# Altium PCB STB_LightBoard.PcbDoc (part 24 of 31)
Units mm, origin at the board's own origin, x right, y up, seen from the top; angles counter-clockwise.
Board outline 348 x 348 mm, 2 copper layers (Top Layer, Bottom Layer), stack 1.672 mm thick; 3807 components, 3391 nets, 11616 pads, 2553 vias.
Unrouted connection lines stored in the file: 68.
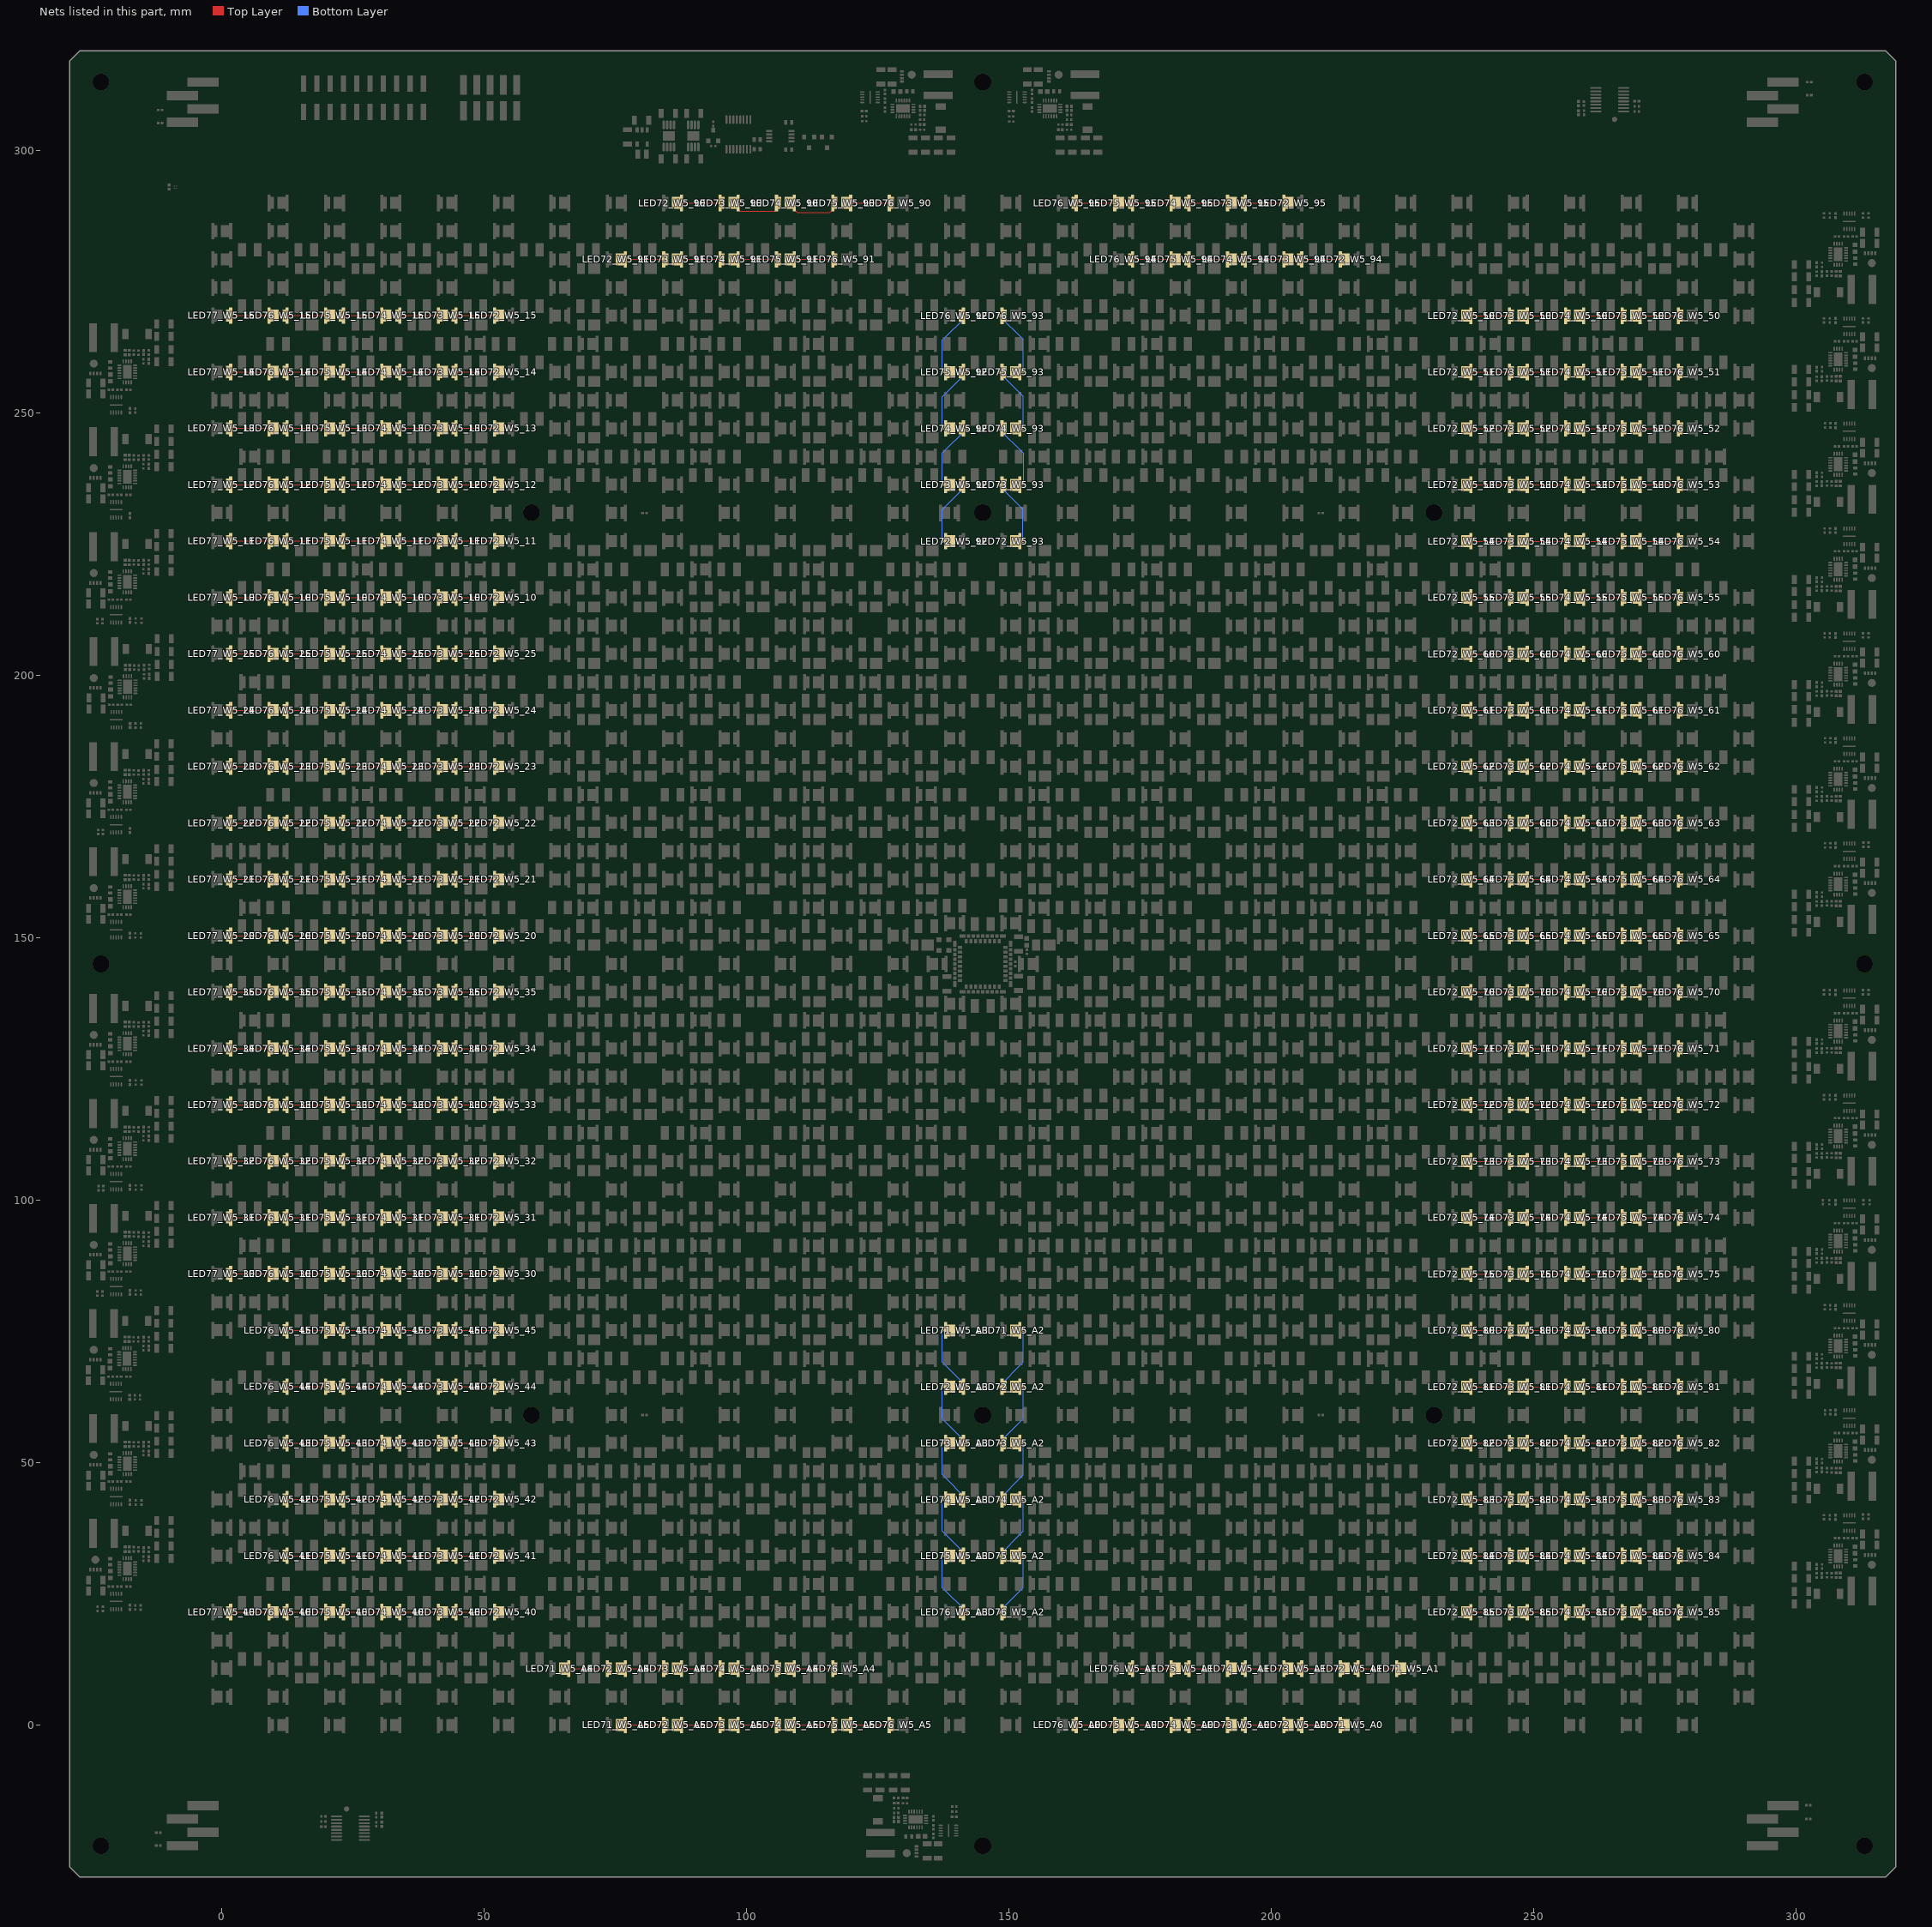
[diagram p24: the nets of this part, all layers, seen from the top]

## Via types
v1: diameter 0.604, hole 0.3, Top Layer to Bottom Layer, tented both sides, 2553 vias

## Nets (pads, with @x,y where several pads share a name; then routed paths per layer and width w, separated by ;. In a path a pad name is that pad's centre, name@x,y a point inside that pad or via, vN(x,y) a via of type N, cw(c..) or ccw(c..) an arc to the next point about the centre after c; other vN are vias at no path point) (continued)
NetLED71_W5_A0_1: LED71_W5_A0.1 LED72_W5_A0.2 | length 9
  Top Layer w0.2: LED72_W5_A0.2@205.164,0 206.229,0 213.57,0 LED71_W5_A0.1@214.16,0
NetLED71_W5_A1_1: LED71_W5_A1.1 LED72_W5_A1.2 | length 9
  Top Layer w0.2: LED72_W5_A1.2@215.905,10.74 216.97,10.74 224.311,10.74 LED71_W5_A1.1@224.901,10.74
NetLED71_W5_A2_1: LED71_W5_A2.1 LED72_W5_A2.2 | length 15.6
  Top Layer w0.2: v1(148.06,64.44) LED72_W5_A2.2@148.674,64.44 LED72_W5_A2.2@149.264,64.44 ; LED71_W5_A2.1@151.009,75.18 LED71_W5_A2.1@152.074,75.18 v1(152.76,75.18)
  Bottom Layer w0.2: v1(148.06,64.44) 152.76,69.14 v1(152.76,75.18)
NetLED71_W5_A3_1: LED71_W5_A3.1 LED72_W5_A3.2 | length 15.2
  Top Layer w0.2: v1(137.319,75.18) LED71_W5_A3.1@137.933,75.18 LED71_W5_A3.1@138.523,75.18 ; LED72_W5_A3.2@140.743,64.44 LED72_W5_A3.2@141.333,64.44 v1(142.019,64.44)
  Bottom Layer w0.2: v1(137.319,75.18) 137.319,69.14 v1(142.019,64.44)
NetLED71_W5_A4_1: LED71_W5_A4.1 LED72_W5_A4.2 | length 9
  Top Layer w0.2: LED71_W5_A4.1@65.106,10.74 65.696,10.74 73.037,10.74 LED72_W5_A4.2@74.102,10.74
NetLED71_W5_A5_1: LED71_W5_A5.1 LED72_W5_A5.2 | length 9
  Top Layer w0.2: LED71_W5_A5.1@75.822,0 LED71_W5_A5.1@76.887,0 LED72_W5_A5.2@84.228,0 LED72_W5_A5.2@84.818,0
NetLED72_W5_10_1: LED72_W5_10.1 LED73_W5_10.2 | length 8.4
  Top Layer w0.2: LED73_W5_10.2@44.664,214.825 LED72_W5_10.1@52.005,214.825 LED72_W5_10.1@53.07,214.825
NetLED72_W5_11_1: LED72_W5_11.1 LED73_W5_11.2 | length 8.4
  Top Layer w0.2: LED73_W5_11.2@44.664,225.565 LED72_W5_11.1@52.005,225.565 LED72_W5_11.1@53.07,225.565
NetLED72_W5_12_1: LED72_W5_12.1 LED73_W5_12.2 | length 8.4
  Top Layer w0.2: LED73_W5_12.2@44.664,236.305 LED72_W5_12.1@52.005,236.305 LED72_W5_12.1@53.07,236.305
NetLED72_W5_13_1: LED72_W5_13.1 LED73_W5_13.2 | length 8.4
  Top Layer w0.2: LED73_W5_13.2@44.664,247.045 LED72_W5_13.1@52.005,247.045 LED72_W5_13.1@53.07,247.045
NetLED72_W5_14_1: LED72_W5_14.1 LED73_W5_14.2 | length 8.4
  Top Layer w0.2: LED73_W5_14.2@44.664,257.785 LED72_W5_14.1@52.005,257.785 LED72_W5_14.1@53.07,257.785
NetLED72_W5_15_1: LED72_W5_15.1 LED73_W5_15.2 | length 8.4
  Top Layer w0.2: LED73_W5_15.2@44.664,268.525 LED72_W5_15.1@52.005,268.525 LED72_W5_15.1@53.07,268.525
NetLED72_W5_20_1: LED72_W5_20.1 LED73_W5_20.2 | length 8.4
  Top Layer w0.2: LED73_W5_20.2@44.664,150.385 LED72_W5_20.1@52.005,150.385 LED72_W5_20.1@53.07,150.385
NetLED72_W5_21_1: LED72_W5_21.1 LED73_W5_21.2 | length 8.4
  Top Layer w0.2: LED73_W5_21.2@44.664,161.125 LED72_W5_21.1@52.005,161.125 LED72_W5_21.1@53.07,161.125
NetLED72_W5_22_1: LED72_W5_22.1 LED73_W5_22.2 | length 8.4
  Top Layer w0.2: LED73_W5_22.2@44.664,171.865 LED72_W5_22.1@52.005,171.865 LED72_W5_22.1@53.07,171.865
NetLED72_W5_23_1: LED72_W5_23.1 LED73_W5_23.2 | length 8.4
  Top Layer w0.2: LED73_W5_23.2@44.664,182.605 LED72_W5_23.1@52.005,182.605 LED72_W5_23.1@53.07,182.605
NetLED72_W5_24_1: LED72_W5_24.1 LED73_W5_24.2 | length 8.4
  Top Layer w0.2: LED73_W5_24.2@44.664,193.345 LED72_W5_24.1@52.005,193.345 LED72_W5_24.1@53.07,193.345
NetLED72_W5_25_1: LED72_W5_25.1 LED73_W5_25.2 | length 8.4
  Top Layer w0.2: LED73_W5_25.2@44.664,204.085 LED72_W5_25.1@52.005,204.085 LED72_W5_25.1@53.07,204.085
NetLED72_W5_30_1: LED72_W5_30.1 LED73_W5_30.2 | length 8.4
  Top Layer w0.2: LED73_W5_30.2@44.664,85.945 LED72_W5_30.1@52.005,85.945 LED72_W5_30.1@53.07,85.945
NetLED72_W5_31_1: LED72_W5_31.1 LED73_W5_31.2 | length 8.4
  Top Layer w0.2: LED73_W5_31.2@44.664,96.685 LED72_W5_31.1@52.005,96.685 LED72_W5_31.1@53.07,96.685
NetLED72_W5_32_1: LED72_W5_32.1 LED73_W5_32.2 | length 8.4
  Top Layer w0.2: LED73_W5_32.2@44.664,107.425 LED72_W5_32.1@52.005,107.425 LED72_W5_32.1@53.07,107.425
NetLED72_W5_33_1: LED72_W5_33.1 LED73_W5_33.2 | length 8.4
  Top Layer w0.2: LED73_W5_33.2@44.664,118.165 LED72_W5_33.1@52.005,118.165 LED72_W5_33.1@53.07,118.165
NetLED72_W5_34_1: LED72_W5_34.1 LED73_W5_34.2 | length 8.4
  Top Layer w0.2: LED73_W5_34.2@44.664,128.905 LED72_W5_34.1@52.005,128.905 LED72_W5_34.1@53.07,128.905
NetLED72_W5_35_1: LED72_W5_35.1 LED73_W5_35.2 | length 8.4
  Top Layer w0.2: LED73_W5_35.2@44.664,139.645 LED72_W5_35.1@52.005,139.645 LED72_W5_35.1@53.07,139.645
NetLED72_W5_40_1: LED72_W5_40.1 LED73_W5_40.2 | length 8.4
  Top Layer w0.2: LED73_W5_40.2@44.664,21.505 LED72_W5_40.1@52.005,21.505 LED72_W5_40.1@53.07,21.505
NetLED72_W5_41_1: LED72_W5_41.1 LED73_W5_41.2 | length 8.4
  Top Layer w0.2: LED73_W5_41.2@44.664,32.245 LED72_W5_41.1@52.005,32.245 LED72_W5_41.1@53.07,32.245
NetLED72_W5_42_1: LED72_W5_42.1 LED73_W5_42.2 | length 8.4
  Top Layer w0.2: LED73_W5_42.2@44.664,42.985 LED72_W5_42.1@52.005,42.985 LED72_W5_42.1@53.07,42.985
NetLED72_W5_43_1: LED72_W5_43.1 LED73_W5_43.2 | length 8.4
  Top Layer w0.2: LED73_W5_43.2@44.664,53.725 LED72_W5_43.1@52.005,53.725 LED72_W5_43.1@53.07,53.725
NetLED72_W5_44_1: LED72_W5_44.1 LED73_W5_44.2 | length 8.4
  Top Layer w0.2: LED73_W5_44.2@44.664,64.465 LED72_W5_44.1@52.005,64.465 LED72_W5_44.1@53.07,64.465
NetLED72_W5_45_1: LED72_W5_45.1 LED73_W5_45.2 | length 8.4
  Top Layer w0.2: LED73_W5_45.2@44.664,75.205 LED72_W5_45.1@52.005,75.205 LED72_W5_45.1@53.07,75.205
NetLED72_W5_50_1: LED72_W5_50.1 LED73_W5_50.2 | length 8.9
  Top Layer w0.2: LED72_W5_50.1@236.937,268.5 LED72_W5_50.1@238.002,268.5 LED73_W5_50.2@245.343,268.5 245.789,268.5 LED73_W5_50.2@245.797,268.492
NetLED72_W5_51_1: LED72_W5_51.1 LED73_W5_51.2 | length 8.9
  Top Layer w0.2: LED72_W5_51.1@236.937,257.76 LED72_W5_51.1@238.002,257.76 LED73_W5_51.2@245.343,257.76 245.789,257.76 LED73_W5_51.2@245.797,257.752
NetLED72_W5_52_1: LED72_W5_52.1 LED73_W5_52.2 | length 8.9
  Top Layer w0.2: LED72_W5_52.1@236.937,247.02 LED72_W5_52.1@238.002,247.02 LED73_W5_52.2@245.343,247.02 245.789,247.02 LED73_W5_52.2@245.797,247.012
NetLED72_W5_53_1: LED72_W5_53.1 LED73_W5_53.2 | length 8.9
  Top Layer w0.2: LED72_W5_53.1@236.937,236.28 LED72_W5_53.1@238.002,236.28 LED73_W5_53.2@245.343,236.28 245.789,236.28 LED73_W5_53.2@245.797,236.272
NetLED72_W5_54_1: LED72_W5_54.1 LED73_W5_54.2 | length 8.9
  Top Layer w0.2: LED72_W5_54.1@236.937,225.54 LED72_W5_54.1@238.002,225.54 LED73_W5_54.2@245.343,225.54 245.789,225.54 LED73_W5_54.2@245.797,225.532
NetLED72_W5_55_1: LED72_W5_55.1 LED73_W5_55.2 | length 8.9
  Top Layer w0.2: LED72_W5_55.1@236.937,214.8 LED72_W5_55.1@238.002,214.8 LED73_W5_55.2@245.343,214.8 245.789,214.8 LED73_W5_55.2@245.797,214.792
NetLED72_W5_60_1: LED72_W5_60.1 LED73_W5_60.2 | length 8.9
  Top Layer w0.2: LED72_W5_60.1@236.937,204.06 LED72_W5_60.1@238.002,204.06 LED73_W5_60.2@245.343,204.06 245.789,204.06 LED73_W5_60.2@245.797,204.052
NetLED72_W5_61_1: LED72_W5_61.1 LED73_W5_61.2 | length 8.9
  Top Layer w0.2: LED72_W5_61.1@236.937,193.32 LED72_W5_61.1@238.002,193.32 LED73_W5_61.2@245.343,193.32 245.789,193.32 LED73_W5_61.2@245.797,193.312
NetLED72_W5_62_1: LED72_W5_62.1 LED73_W5_62.2 | length 8.9
  Top Layer w0.2: LED72_W5_62.1@236.937,182.58 LED72_W5_62.1@238.002,182.58 LED73_W5_62.2@245.343,182.58 245.789,182.58 LED73_W5_62.2@245.797,182.572
NetLED72_W5_63_1: LED72_W5_63.1 LED73_W5_63.2 | length 8.9
  Top Layer w0.2: LED72_W5_63.1@236.937,171.84 LED72_W5_63.1@238.002,171.84 LED73_W5_63.2@245.343,171.84 245.789,171.84 LED73_W5_63.2@245.797,171.832
NetLED72_W5_64_1: LED72_W5_64.1 LED73_W5_64.2 | length 8.9
  Top Layer w0.2: LED72_W5_64.1@236.937,161.1 LED72_W5_64.1@238.002,161.1 LED73_W5_64.2@245.343,161.1 245.789,161.1 LED73_W5_64.2@245.797,161.092
NetLED72_W5_65_1: LED72_W5_65.1 LED73_W5_65.2 | length 8.9
  Top Layer w0.2: LED72_W5_65.1@236.937,150.36 LED72_W5_65.1@238.002,150.36 LED73_W5_65.2@245.343,150.36 245.789,150.36 LED73_W5_65.2@245.797,150.352
NetLED72_W5_70_1: LED72_W5_70.1 LED73_W5_70.2 | length 8.9
  Top Layer w0.2: LED72_W5_70.1@236.937,139.62 LED72_W5_70.1@238.002,139.62 LED73_W5_70.2@245.343,139.62 245.789,139.62 LED73_W5_70.2@245.797,139.612
NetLED72_W5_71_1: LED72_W5_71.1 LED73_W5_71.2 | length 8.9
  Top Layer w0.2: LED72_W5_71.1@236.937,128.88 LED72_W5_71.1@238.002,128.88 LED73_W5_71.2@245.343,128.88 245.789,128.88 LED73_W5_71.2@245.797,128.872
NetLED72_W5_72_1: LED72_W5_72.1 LED73_W5_72.2 | length 8.9
  Top Layer w0.2: LED72_W5_72.1@236.937,118.14 LED72_W5_72.1@238.002,118.14 LED73_W5_72.2@245.343,118.14 245.789,118.14 LED73_W5_72.2@245.797,118.132
NetLED72_W5_73_1: LED72_W5_73.1 LED73_W5_73.2 | length 8.9
  Top Layer w0.2: LED72_W5_73.1@236.937,107.4 LED72_W5_73.1@238.002,107.4 LED73_W5_73.2@245.343,107.4 245.789,107.4 LED73_W5_73.2@245.797,107.392
NetLED72_W5_74_1: LED72_W5_74.1 LED73_W5_74.2 | length 8.9
  Top Layer w0.2: LED72_W5_74.1@236.937,96.66 LED72_W5_74.1@238.002,96.66 LED73_W5_74.2@245.343,96.66 245.789,96.66 LED73_W5_74.2@245.797,96.652
NetLED72_W5_75_1: LED72_W5_75.1 LED73_W5_75.2 | length 8.9
  Top Layer w0.2: LED72_W5_75.1@236.937,85.92 LED72_W5_75.1@238.002,85.92 LED73_W5_75.2@245.343,85.92 245.789,85.92 LED73_W5_75.2@245.797,85.912
NetLED72_W5_80_1: LED72_W5_80.1 LED73_W5_80.2 | length 8.9
  Top Layer w0.2: LED72_W5_80.1@236.937,75.18 LED72_W5_80.1@238.002,75.18 LED73_W5_80.2@245.343,75.18 245.789,75.18 LED73_W5_80.2@245.797,75.172
NetLED72_W5_81_1: LED72_W5_81.1 LED73_W5_81.2 | length 8.9
  Top Layer w0.2: LED72_W5_81.1@236.937,64.44 LED72_W5_81.1@238.002,64.44 LED73_W5_81.2@245.343,64.44 245.789,64.44 LED73_W5_81.2@245.797,64.432
NetLED72_W5_82_1: LED72_W5_82.1 LED73_W5_82.2 | length 8.9
  Top Layer w0.2: LED72_W5_82.1@236.937,53.7 LED72_W5_82.1@238.002,53.7 LED73_W5_82.2@245.343,53.7 245.789,53.7 LED73_W5_82.2@245.797,53.692
NetLED72_W5_83_1: LED72_W5_83.1 LED73_W5_83.2 | length 8.9
  Top Layer w0.2: LED72_W5_83.1@236.937,42.96 LED72_W5_83.1@238.002,42.96 LED73_W5_83.2@245.343,42.96 245.789,42.96 LED73_W5_83.2@245.797,42.952
NetLED72_W5_84_1: LED72_W5_84.1 LED73_W5_84.2 | length 8.9
  Top Layer w0.2: LED72_W5_84.1@236.937,32.22 LED72_W5_84.1@238.002,32.22 LED73_W5_84.2@245.343,32.22 245.789,32.22 LED73_W5_84.2@245.797,32.212
NetLED72_W5_85_1: LED72_W5_85.1 LED73_W5_85.2 | length 8.9
  Top Layer w0.2: LED72_W5_85.1@236.937,21.48 LED72_W5_85.1@238.002,21.48 LED73_W5_85.2@245.343,21.48 245.789,21.48 LED73_W5_85.2@245.797,21.472
NetLED72_W5_90_1: LED72_W5_90.1 LED73_W5_90.2 | length 9
  Top Layer w0.2: LED72_W5_90.1@86.588,289.98 87.178,289.98 94.519,289.98 LED73_W5_90.2@95.584,289.98
NetLED72_W5_91_1: LED72_W5_91.1 LED73_W5_91.2 | length 9
  Top Layer w0.2: LED72_W5_91.1@75.822,279.24 LED72_W5_91.1@76.887,279.24 LED73_W5_91.2@84.228,279.24 LED73_W5_91.2@84.818,279.24
NetLED72_W5_92_1: LED72_W5_92.1 LED73_W5_92.2 | length 15.2
  Top Layer w0.2: v1(137.319,225.54) LED72_W5_92.1@137.933,225.54 LED72_W5_92.1@138.523,225.54 ; LED73_W5_92.2@140.743,236.28 LED73_W5_92.2@141.333,236.28 v1(142.019,236.28)
  Bottom Layer w0.2: v1(137.319,225.54) 137.319,231.58 v1(142.019,236.28)
NetLED72_W5_93_1: LED72_W5_93.1 LED73_W5_93.2 | length 15.6
  Top Layer w0.2: v1(148.02,236.28) LED73_W5_93.2@148.674,236.28 LED73_W5_93.2@149.264,236.28 ; LED72_W5_93.1@151.009,225.54 LED72_W5_93.1@152.074,225.54 v1(152.66,225.54)
  Bottom Layer w0.2: v1(148.02,236.28) 152.66,231.64 v1(152.66,225.54)
NetLED72_W5_94_1: LED72_W5_94.1 LED73_W5_94.2 | length 7.9
  Top Layer w0.2: LED73_W5_94.2@205.779,279.24 LED72_W5_94.1@213.12,279.24 LED72_W5_94.1@213.71,279.24
NetLED72_W5_95_1: LED72_W5_95.1 LED73_W5_95.2 | length 9
  Top Layer w0.2: LED73_W5_95.2@194.423,289.98 195.488,289.98 202.829,289.98 LED72_W5_95.1@203.419,289.98
NetLED72_W5_A0_1: LED72_W5_A0.1 LED73_W5_A0.2 | length 9
  Top Layer w0.2: LED73_W5_A0.2@194.423,0 195.488,0 202.829,0 LED72_W5_A0.1@203.419,0
NetLED72_W5_A1_1: LED72_W5_A1.1 LED73_W5_A1.2 | length 9
  Top Layer w0.2: LED73_W5_A1.2@205.164,10.74 206.229,10.74 213.57,10.74 LED72_W5_A1.1@214.16,10.74
NetLED72_W5_A2_1: LED72_W5_A2.1 LED73_W5_A2.2 | length 15.6
  Top Layer w0.2: v1(148.06,53.7) LED73_W5_A2.2@148.674,53.7 LED73_W5_A2.2@149.264,53.7 ; LED72_W5_A2.1@151.009,64.44 LED72_W5_A2.1@152.074,64.44 v1(152.76,64.44)
  Bottom Layer w0.2: v1(148.06,53.7) 152.76,58.4 v1(152.76,64.44)
NetLED72_W5_A3_1: LED72_W5_A3.1 LED73_W5_A3.2 | length 15.1
  Top Layer w0.2: v1(137.319,64.44) LED72_W5_A3.1@137.933,64.44 LED72_W5_A3.1@138.523,64.44 ; LED73_W5_A3.2@140.743,53.7 LED73_W5_A3.2@141.333,53.7 v1(141.947,53.7)
  Bottom Layer w0.2: v1(137.319,64.44) 137.319,58.328 v1(141.947,53.7)
NetLED72_W5_A4_1: LED72_W5_A4.1 LED73_W5_A4.2 | length 9
  Top Layer w0.2: LED72_W5_A4.1@75.847,10.74 76.437,10.74 83.778,10.74 LED73_W5_A4.2@84.843,10.74
NetLED72_W5_A5_1: LED72_W5_A5.1 LED73_W5_A5.2 | length 9
  Top Layer w0.2: LED72_W5_A5.1@86.563,0 LED72_W5_A5.1@87.628,0 LED73_W5_A5.2@94.969,0 LED73_W5_A5.2@95.559,0
NetLED73_W5_10_1: LED73_W5_10.1 LED74_W5_10.2 | length 8.4
  Top Layer w0.2: LED74_W5_10.2@33.923,214.825 LED73_W5_10.1@41.264,214.825 LED73_W5_10.1@42.329,214.825
NetLED73_W5_11_1: LED73_W5_11.1 LED74_W5_11.2 | length 8.4
  Top Layer w0.2: LED74_W5_11.2@33.923,225.565 LED73_W5_11.1@41.264,225.565 LED73_W5_11.1@42.329,225.565
NetLED73_W5_12_1: LED73_W5_12.1 LED74_W5_12.2 | length 8.4
  Top Layer w0.2: LED74_W5_12.2@33.923,236.305 LED73_W5_12.1@41.264,236.305 LED73_W5_12.1@42.329,236.305
NetLED73_W5_13_1: LED73_W5_13.1 LED74_W5_13.2 | length 8.4
  Top Layer w0.2: LED74_W5_13.2@33.923,247.045 LED73_W5_13.1@41.264,247.045 LED73_W5_13.1@42.329,247.045
NetLED73_W5_14_1: LED73_W5_14.1 LED74_W5_14.2 | length 8.4
  Top Layer w0.2: LED74_W5_14.2@33.923,257.785 LED73_W5_14.1@41.264,257.785 LED73_W5_14.1@42.329,257.785
NetLED73_W5_15_1: LED73_W5_15.1 LED74_W5_15.2 | length 8.4
  Top Layer w0.2: LED74_W5_15.2@33.923,268.525 LED73_W5_15.1@41.264,268.525 LED73_W5_15.1@42.329,268.525
NetLED73_W5_20_1: LED73_W5_20.1 LED74_W5_20.2 | length 8.4
  Top Layer w0.2: LED74_W5_20.2@33.923,150.385 LED73_W5_20.1@41.264,150.385 LED73_W5_20.1@42.329,150.385
NetLED73_W5_21_1: LED73_W5_21.1 LED74_W5_21.2 | length 8.4
  Top Layer w0.2: LED74_W5_21.2@33.923,161.125 LED73_W5_21.1@41.264,161.125 LED73_W5_21.1@42.329,161.125
NetLED73_W5_22_1: LED73_W5_22.1 LED74_W5_22.2 | length 8.4
  Top Layer w0.2: LED74_W5_22.2@33.923,171.865 LED73_W5_22.1@41.264,171.865 LED73_W5_22.1@42.329,171.865
NetLED73_W5_23_1: LED73_W5_23.1 LED74_W5_23.2 | length 8.4
  Top Layer w0.2: LED74_W5_23.2@33.923,182.605 LED73_W5_23.1@41.264,182.605 LED73_W5_23.1@42.329,182.605
NetLED73_W5_24_1: LED73_W5_24.1 LED74_W5_24.2 | length 8.4
  Top Layer w0.2: LED74_W5_24.2@33.923,193.345 LED73_W5_24.1@41.264,193.345 LED73_W5_24.1@42.329,193.345
NetLED73_W5_25_1: LED73_W5_25.1 LED74_W5_25.2 | length 8.4
  Top Layer w0.2: LED74_W5_25.2@33.923,204.085 LED73_W5_25.1@41.264,204.085 LED73_W5_25.1@42.329,204.085
NetLED73_W5_30_1: LED73_W5_30.1 LED74_W5_30.2 | length 8.4
  Top Layer w0.2: LED74_W5_30.2@33.923,85.945 LED73_W5_30.1@41.264,85.945 LED73_W5_30.1@42.329,85.945
NetLED73_W5_31_1: LED73_W5_31.1 LED74_W5_31.2 | length 8.4
  Top Layer w0.2: LED74_W5_31.2@33.923,96.685 LED73_W5_31.1@41.264,96.685 LED73_W5_31.1@42.329,96.685
NetLED73_W5_32_1: LED73_W5_32.1 LED74_W5_32.2 | length 8.4
  Top Layer w0.2: LED74_W5_32.2@33.923,107.425 LED73_W5_32.1@41.264,107.425 LED73_W5_32.1@42.329,107.425
NetLED73_W5_33_1: LED73_W5_33.1 LED74_W5_33.2 | length 8.4
  Top Layer w0.2: LED74_W5_33.2@33.923,118.165 LED73_W5_33.1@41.264,118.165 LED73_W5_33.1@42.329,118.165
NetLED73_W5_34_1: LED73_W5_34.1 LED74_W5_34.2 | length 8.4
  Top Layer w0.2: LED74_W5_34.2@33.923,128.905 LED73_W5_34.1@41.264,128.905 LED73_W5_34.1@42.329,128.905
NetLED73_W5_35_1: LED73_W5_35.1 LED74_W5_35.2 | length 8.4
  Top Layer w0.2: LED74_W5_35.2@33.923,139.645 LED73_W5_35.1@41.264,139.645 LED73_W5_35.1@42.329,139.645
NetLED73_W5_40_1: LED73_W5_40.1 LED74_W5_40.2 | length 8.4
  Top Layer w0.2: LED74_W5_40.2@33.923,21.505 LED73_W5_40.1@41.264,21.505 LED73_W5_40.1@42.329,21.505
NetLED73_W5_41_1: LED73_W5_41.1 LED74_W5_41.2 | length 8.4
  Top Layer w0.2: LED74_W5_41.2@33.923,32.245 LED73_W5_41.1@41.264,32.245 LED73_W5_41.1@42.329,32.245
NetLED73_W5_42_1: LED73_W5_42.1 LED74_W5_42.2 | length 8.4
  Top Layer w0.2: LED74_W5_42.2@33.923,42.985 LED73_W5_42.1@41.264,42.985 LED73_W5_42.1@42.329,42.985
NetLED73_W5_43_1: LED73_W5_43.1 LED74_W5_43.2 | length 8.4
  Top Layer w0.2: LED74_W5_43.2@33.923,53.725 LED73_W5_43.1@41.264,53.725 LED73_W5_43.1@42.329,53.725
NetLED73_W5_44_1: LED73_W5_44.1 LED74_W5_44.2 | length 8.4
  Top Layer w0.2: LED74_W5_44.2@33.923,64.465 LED73_W5_44.1@41.264,64.465 LED73_W5_44.1@42.329,64.465
NetLED73_W5_45_1: LED73_W5_45.1 LED74_W5_45.2 | length 8.4
  Top Layer w0.2: LED74_W5_45.2@33.923,75.205 LED73_W5_45.1@41.264,75.205 LED73_W5_45.1@42.329,75.205
NetLED73_W5_50_1: LED73_W5_50.1 LED74_W5_50.2 | length 8.9
  Top Layer w0.2: LED73_W5_50.1@247.678,268.5 LED73_W5_50.1@248.743,268.5 LED74_W5_50.2@256.084,268.5 256.525,268.5 LED74_W5_50.2@256.576,268.449
NetLED73_W5_51_1: LED73_W5_51.1 LED74_W5_51.2 | length 8.9
  Top Layer w0.2: LED73_W5_51.1@247.678,257.76 LED73_W5_51.1@248.743,257.76 LED74_W5_51.2@256.084,257.76 256.525,257.76 LED74_W5_51.2@256.576,257.709
NetLED73_W5_52_1: LED73_W5_52.1 LED74_W5_52.2 | length 8.9
  Top Layer w0.2: LED73_W5_52.1@247.678,247.02 LED73_W5_52.1@248.743,247.02 LED74_W5_52.2@256.084,247.02 256.525,247.02 LED74_W5_52.2@256.576,246.969
NetLED73_W5_53_1: LED73_W5_53.1 LED74_W5_53.2 | length 8.9
  Top Layer w0.2: LED73_W5_53.1@247.678,236.28 LED73_W5_53.1@248.743,236.28 LED74_W5_53.2@256.084,236.28 256.525,236.28 LED74_W5_53.2@256.576,236.229
NetLED73_W5_54_1: LED73_W5_54.1 LED74_W5_54.2 | length 8.9
  Top Layer w0.2: LED73_W5_54.1@247.678,225.54 LED73_W5_54.1@248.743,225.54 LED74_W5_54.2@256.084,225.54 256.525,225.54 LED74_W5_54.2@256.576,225.489
NetLED73_W5_55_1: LED73_W5_55.1 LED74_W5_55.2 | length 8.9
  Top Layer w0.2: LED73_W5_55.1@247.678,214.8 LED73_W5_55.1@248.743,214.8 LED74_W5_55.2@256.084,214.8 256.525,214.8 LED74_W5_55.2@256.576,214.749
NetLED73_W5_60_1: LED73_W5_60.1 LED74_W5_60.2 | length 8.9
  Top Layer w0.2: LED73_W5_60.1@247.678,204.06 LED73_W5_60.1@248.743,204.06 LED74_W5_60.2@256.084,204.06 256.525,204.06 LED74_W5_60.2@256.576,204.009
NetLED73_W5_61_1: LED73_W5_61.1 LED74_W5_61.2 | length 8.9
  Top Layer w0.2: LED73_W5_61.1@247.678,193.32 LED73_W5_61.1@248.743,193.32 LED74_W5_61.2@256.084,193.32 256.525,193.32 LED74_W5_61.2@256.576,193.269
NetLED73_W5_62_1: LED73_W5_62.1 LED74_W5_62.2 | length 8.9
  Top Layer w0.2: LED73_W5_62.1@247.678,182.58 LED73_W5_62.1@248.743,182.58 LED74_W5_62.2@256.084,182.58 256.525,182.58 LED74_W5_62.2@256.576,182.529
NetLED73_W5_63_1: LED73_W5_63.1 LED74_W5_63.2 | length 8.9
  Top Layer w0.2: LED73_W5_63.1@247.678,171.84 LED73_W5_63.1@248.743,171.84 LED74_W5_63.2@256.084,171.84 256.525,171.84 LED74_W5_63.2@256.576,171.789
NetLED73_W5_64_1: LED73_W5_64.1 LED74_W5_64.2 | length 8.9
  Top Layer w0.2: LED73_W5_64.1@247.678,161.1 LED73_W5_64.1@248.743,161.1 LED74_W5_64.2@256.084,161.1 256.525,161.1 LED74_W5_64.2@256.576,161.049
NetLED73_W5_65_1: LED73_W5_65.1 LED74_W5_65.2 | length 8.9
  Top Layer w0.2: LED73_W5_65.1@247.678,150.36 LED73_W5_65.1@248.743,150.36 LED74_W5_65.2@256.084,150.36 256.525,150.36 LED74_W5_65.2@256.576,150.309
NetLED73_W5_70_1: LED73_W5_70.1 LED74_W5_70.2 | length 8.9
  Top Layer w0.2: LED73_W5_70.1@247.678,139.62 LED73_W5_70.1@248.743,139.62 LED74_W5_70.2@256.084,139.62 256.525,139.62 LED74_W5_70.2@256.576,139.569
NetLED73_W5_71_1: LED73_W5_71.1 LED74_W5_71.2 | length 8.9
  Top Layer w0.2: LED73_W5_71.1@247.678,128.88 LED73_W5_71.1@248.743,128.88 LED74_W5_71.2@256.084,128.88 256.525,128.88 LED74_W5_71.2@256.576,128.829
NetLED73_W5_72_1: LED73_W5_72.1 LED74_W5_72.2 | length 8.9
  Top Layer w0.2: LED73_W5_72.1@247.678,118.14 LED73_W5_72.1@248.743,118.14 LED74_W5_72.2@256.084,118.14 256.525,118.14 LED74_W5_72.2@256.576,118.089
NetLED73_W5_73_1: LED73_W5_73.1 LED74_W5_73.2 | length 8.9
  Top Layer w0.2: LED73_W5_73.1@247.678,107.4 LED73_W5_73.1@248.743,107.4 LED74_W5_73.2@256.084,107.4 256.525,107.4 LED74_W5_73.2@256.576,107.349
NetLED73_W5_74_1: LED73_W5_74.1 LED74_W5_74.2 | length 8.9
  Top Layer w0.2: LED73_W5_74.1@247.678,96.66 LED73_W5_74.1@248.743,96.66 LED74_W5_74.2@256.084,96.66 256.525,96.66 LED74_W5_74.2@256.576,96.609
NetLED73_W5_75_1: LED73_W5_75.1 LED74_W5_75.2 | length 8.9
  Top Layer w0.2: LED73_W5_75.1@247.678,85.92 LED73_W5_75.1@248.743,85.92 LED74_W5_75.2@256.084,85.92 256.525,85.92 LED74_W5_75.2@256.576,85.869
NetLED73_W5_80_1: LED73_W5_80.1 LED74_W5_80.2 | length 8.9
  Top Layer w0.2: LED73_W5_80.1@247.678,75.18 LED73_W5_80.1@248.743,75.18 LED74_W5_80.2@256.084,75.18 256.525,75.18 LED74_W5_80.2@256.576,75.129
NetLED73_W5_81_1: LED73_W5_81.1 LED74_W5_81.2 | length 8.9